# Altium PCB 0020-03_FFT2G.PcbDoc (part 5 of 16) (continued)
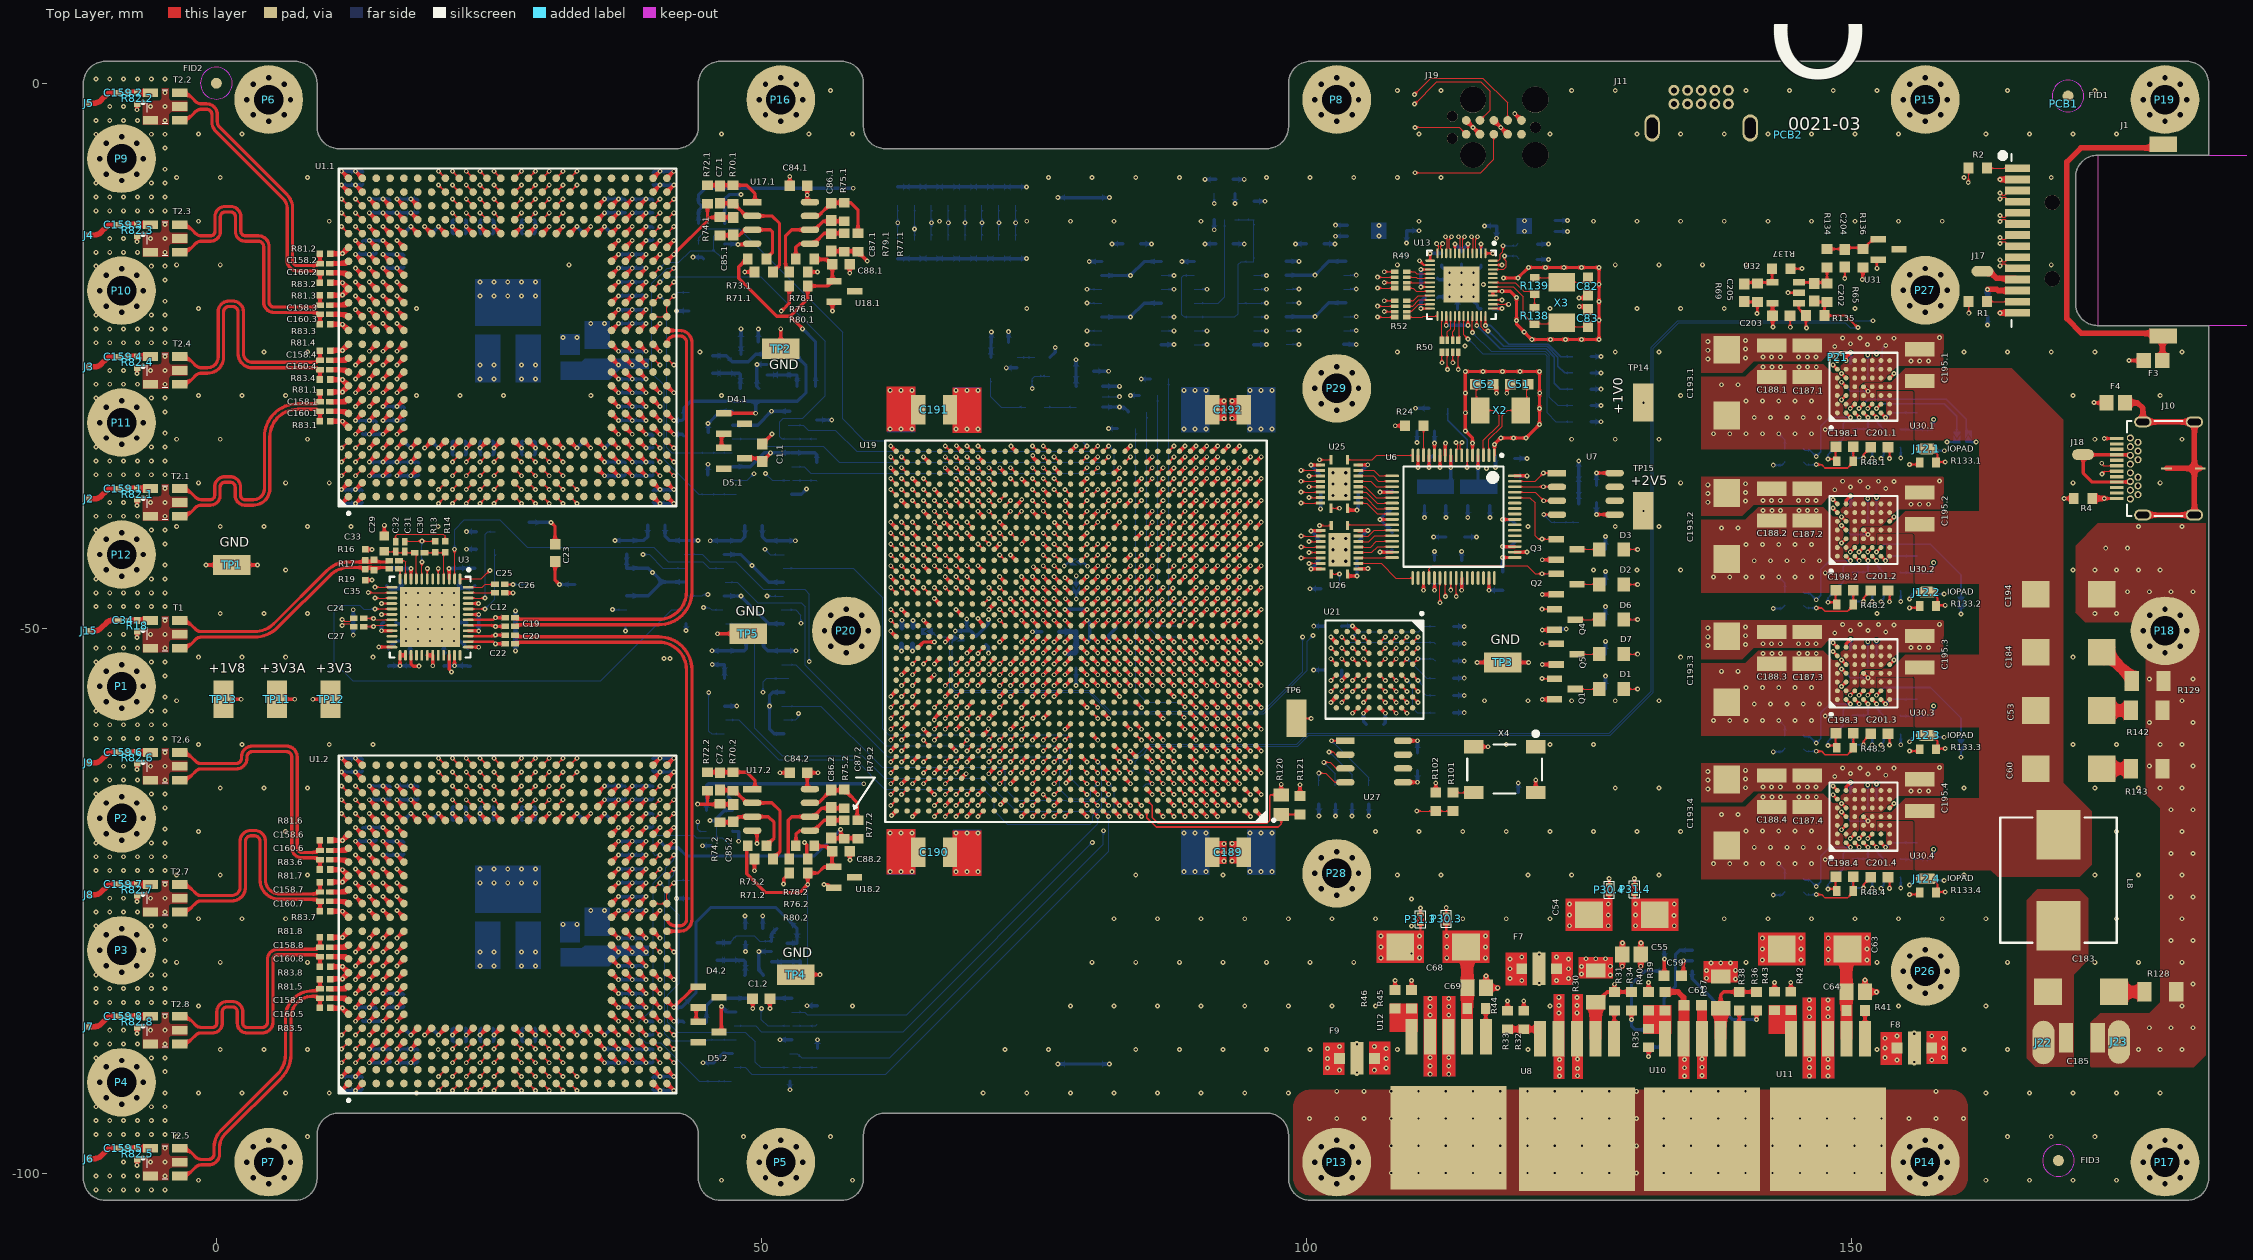
[diagram p0: Top Layer view]
## Nets (pads, with @x,y where several pads share a name; then routed paths per layer and width w, separated by ;. In a path a pad name is that pad's centre, name@x,y a point inside that pad or via, vN(x,y) a via of type N, cw(c..) or ccw(c..) an arc to the next point about the centre after c; other vN are vias at no path point) (continued)
BPI_A11: U19.C9 U21.D6 | length 41.5
  Top Layer w0.1: U19.C9@87.375,-64.78 v1(87.875,-65.28) ; U21.D6@106.76,-55.312 v1(107.26,-55.812)
  LVDS2 w0.1: v1(87.875,-65.28) 88.375,-65.78 96.817,-65.78 96.877,-65.78 ccw(c96.877,-65.64) 97.017,-65.64 97.017,-65.52 cw(c97.157,-65.52) 97.157,-65.38 97.277,-65.38 cw(c97.277,-65.52) 97.417,-65.52 97.417,-65.78 97.417,-66.04 ccw(c97.557,-66.04) 97.557,-66.18 97.677,-66.18 ccw(c97.677,-66.04) 97.817,-66.04 97.817,-65.78 97.817,-65.52 cw(c97.957,-65.52) 97.957,-65.38 98.077,-65.38 cw(c98.077,-65.52) 98.217,-65.52 98.217,-65.78 98.217,-66.04 ccw(c98.357,-66.04) 98.357,-66.18 98.477,-66.18 ccw(c98.477,-66.04) 98.617,-66.04 98.617,-65.78 98.617,-65.52 cw(c98.757,-65.52) 98.757,-65.38 98.877,-65.38 cw(c98.877,-65.52) 99.017,-65.52 99.017,-65.78 99.017,-66.04 ccw(c99.157,-66.04) 99.157,-66.18 99.277,-66.18 ccw(c99.277,-66.04) 99.417,-66.04 99.417,-65.78 99.417,-65.52 cw(c99.557,-65.52) 99.557,-65.38 99.677,-65.38 cw(c99.677,-65.52) 99.817,-65.52 99.817,-65.78 99.817,-66.04 ccw(c99.957,-66.04) 99.957,-66.18 100.077,-66.18 ccw(c100.077,-66.04) 100.217,-66.04 100.217,-65.78 100.217,-65.52 cw(c100.357,-65.52) 100.357,-65.38 100.477,-65.38 cw(c100.477,-65.52) 100.617,-65.52 100.617,-65.78 100.617,-66.04 ccw(c100.757,-66.04) 100.757,-66.18 100.877,-66.18 ccw(c100.877,-66.04) 101.017,-66.04 101.017,-65.78 101.017,-65.52 cw(c101.157,-65.52) 101.157,-65.38 101.277,-65.38 cw(c101.277,-65.52) 101.417,-65.52 101.417,-65.78 101.417,-66.04 ccw(c101.557,-66.04) 101.557,-66.18 101.677,-66.18 ccw(c101.677,-66.04) 101.817,-66.04 101.817,-65.78 101.817,-65.52 cw(c101.957,-65.52) 101.957,-65.38 102.077,-65.38 cw(c102.077,-65.52) 102.217,-65.52 102.217,-65.78 102.217,-66.04 ccw(c102.357,-66.04) 102.357,-66.18 102.477,-66.18 ccw(c102.477,-66.04) 102.617,-66.04 102.617,-65.78 102.617,-65.52 cw(c102.757,-65.52) 102.757,-65.38 102.877,-65.38 cw(c102.877,-65.52) 103.017,-65.52 103.017,-65.78 103.017,-66.04 ccw(c103.157,-66.04) 103.157,-66.18 103.277,-66.18 ccw(c103.277,-66.04) 103.417,-66.04 103.417,-65.78 103.417,-65.52 cw(c103.557,-65.52) 103.557,-65.38 103.677,-65.38 cw(c103.677,-65.52) 103.817,-65.52 103.817,-65.64 ccw(c103.957,-65.64) 103.957,-65.78 104.005,-65.78 105.698,-65.78 106.76,-64.718 106.76,-56.312 v1(107.26,-55.812)
BPI_A12: U19.D10 U21.B7 | length 41.5
  Top Layer w0.1: U19.D10@86.375,-63.78 v1(86.875,-64.28) ; U21.B7@108.76,-56.312 v1(109.26,-56.812)
  LVDS1 w0.1: v1(86.875,-64.28) 87.375,-64.78 87.375,-65.409 87.746,-65.78 96.537,-65.78 96.597,-65.78 ccw(c96.597,-65.64) 96.737,-65.64 96.737,-65.52 cw(c96.877,-65.52) 96.877,-65.38 96.997,-65.38 cw(c96.997,-65.52) 97.137,-65.52 97.137,-65.78 97.137,-66.04 ccw(c97.277,-66.04) 97.277,-66.18 97.397,-66.18 ccw(c97.397,-66.04) 97.537,-66.04 97.537,-65.78 97.537,-65.52 cw(c97.677,-65.52) 97.677,-65.38 97.797,-65.38 cw(c97.797,-65.52) 97.937,-65.52 97.937,-65.78 97.937,-66.04 ccw(c98.077,-66.04) 98.077,-66.18 98.197,-66.18 ccw(c98.197,-66.04) 98.337,-66.04 98.337,-65.78 98.337,-65.52 cw(c98.477,-65.52) 98.477,-65.38 98.597,-65.38 cw(c98.597,-65.52) 98.737,-65.52 98.737,-65.78 98.737,-66.04 ccw(c98.877,-66.04) 98.877,-66.18 98.997,-66.18 ccw(c98.997,-66.04) 99.137,-66.04 99.137,-65.78 99.137,-65.52 cw(c99.277,-65.52) 99.277,-65.38 99.397,-65.38 cw(c99.397,-65.52) 99.537,-65.52 99.537,-65.78 99.537,-66.04 ccw(c99.677,-66.04) 99.677,-66.18 99.797,-66.18 ccw(c99.797,-66.04) 99.937,-66.04 99.937,-65.78 99.937,-65.52 cw(c100.077,-65.52) 100.077,-65.38 100.197,-65.38 cw(c100.197,-65.52) 100.337,-65.52 100.337,-65.78 100.337,-66.04 ccw(c100.477,-66.04) 100.477,-66.18 100.597,-66.18 ccw(c100.597,-66.04) 100.737,-66.04 100.737,-65.78 100.737,-65.52 cw(c100.877,-65.52) 100.877,-65.38 100.997,-65.38 cw(c100.997,-65.52) 101.137,-65.52 101.137,-65.78 101.137,-66.04 ccw(c101.277,-66.04) 101.277,-66.18 101.397,-66.18 ccw(c101.397,-66.04) 101.537,-66.04 101.537,-65.92 cw(c101.677,-65.92) 101.677,-65.78 101.77,-65.78 108.058,-65.78 109.76,-64.078 109.76,-57.312 v1(109.26,-56.812)
BPI_A13: U19.C10 U21.A7 | length 41.2
  Top Layer w0.1: U19.C10@86.375,-64.78 v1(86.875,-65.28) ; U21.A7@109.76,-56.312 v1(110.26,-56.812)
  LVDS1 w0.1: v1(86.875,-65.28) 86.875,-66.02 87.635,-66.78 96.537,-66.78 96.597,-66.78 ccw(c96.597,-66.64) 96.737,-66.64 96.737,-66.52 cw(c96.877,-66.52) 96.877,-66.38 96.997,-66.38 cw(c96.997,-66.52) 97.137,-66.52 97.137,-66.78 97.137,-67.04 ccw(c97.277,-67.04) 97.277,-67.18 97.397,-67.18 ccw(c97.397,-67.04) 97.537,-67.04 97.537,-66.78 97.537,-66.52 cw(c97.677,-66.52) 97.677,-66.38 97.797,-66.38 cw(c97.797,-66.52) 97.937,-66.52 97.937,-66.78 97.937,-67.04 ccw(c98.077,-67.04) 98.077,-67.18 98.197,-67.18 ccw(c98.197,-67.04) 98.337,-67.04 98.337,-66.78 98.337,-66.52 cw(c98.477,-66.52) 98.477,-66.38 98.597,-66.38 cw(c98.597,-66.52) 98.737,-66.52 98.737,-66.78 98.737,-67.04 ccw(c98.877,-67.04) 98.877,-67.18 98.997,-67.18 ccw(c98.997,-67.04) 99.137,-67.04 99.137,-66.78 99.137,-66.52 cw(c99.277,-66.52) 99.277,-66.38 99.397,-66.38 cw(c99.397,-66.52) 99.537,-66.52 99.537,-66.78 99.537,-67.04 ccw(c99.677,-67.04) 99.677,-67.18 99.797,-67.18 ccw(c99.797,-67.04) 99.937,-67.04 99.937,-66.78 99.937,-66.52 cw(c100.077,-66.52) 100.077,-66.38 100.197,-66.38 cw(c100.197,-66.52) 100.337,-66.52 100.337,-66.64 ccw(c100.477,-66.64) 100.477,-66.78 100.703,-66.78 108.49,-66.78 110.71,-64.559 110.71,-57.262 v1(110.26,-56.812)
BPI_A14: U19.F10 U21.C7 | length 41.7
  Top Layer w0.1: U19.F10@86.375,-61.78 v1(86.875,-62.28) ; U21.C7@107.76,-56.312 v1(108.26,-56.812)
  LVDS1 w0.1: v1(86.875,-62.28) 86.375,-62.78 84.949,-62.78 84.802,-62.927 84.802,-63.569 85.03,-63.796 107.377,-63.796 107.76,-63.414 107.76,-62.85 107.76,-62.637 cw(c107.9,-62.637) 107.9,-62.497 108.02,-62.497 ccw(c108.02,-62.357) 108.16,-62.357 108.16,-62.237 ccw(c108.02,-62.237) 108.02,-62.097 107.76,-62.097 107.5,-62.097 cw(c107.5,-61.957) 107.36,-61.957 107.36,-61.837 cw(c107.5,-61.837) 107.5,-61.697 107.76,-61.697 108.02,-61.697 ccw(c108.02,-61.557) 108.16,-61.557 108.16,-61.437 ccw(c108.02,-61.437) 108.02,-61.297 107.76,-61.297 107.5,-61.297 cw(c107.5,-61.157) 107.36,-61.157 107.36,-61.037 cw(c107.5,-61.037) 107.5,-60.897 107.76,-60.897 108.02,-60.897 ccw(c108.02,-60.757) 108.16,-60.757 108.16,-60.637 ccw(c108.02,-60.637) 108.02,-60.497 107.76,-60.497 107.5,-60.497 cw(c107.5,-60.357) 107.36,-60.357 107.36,-60.237 cw(c107.5,-60.237) 107.5,-60.097 107.76,-60.097 108.02,-60.097 ccw(c108.02,-59.957) 108.16,-59.957 108.16,-59.837 ccw(c108.02,-59.837) 108.02,-59.697 107.76,-59.697 107.5,-59.697 cw(c107.5,-59.557) 107.36,-59.557 107.36,-59.437 cw(c107.5,-59.437) 107.5,-59.297 107.76,-59.297 108.02,-59.297 ccw(c108.02,-59.157) 108.16,-59.157 108.16,-59.037 ccw(c108.02,-59.037) 108.02,-58.897 107.76,-58.897 107.5,-58.897 cw(c107.5,-58.757) 107.36,-58.757 107.36,-58.637 cw(c107.5,-58.637) 107.5,-58.497 107.76,-58.497 107.97,-58.497 ccw(c107.97,-58.357) 108.11,-58.357 108.11,-58.237 ccw(c107.97,-58.237) 107.97,-58.097 107.9,-58.097 cw(c107.9,-57.957) 107.76,-57.957 107.76,-57.897 107.76,-57.312 v1(108.26,-56.812)
BPI_A15: U19.F9 U21.D7 | length 41.9
  Top Layer w0.1: U19.F9@87.375,-61.78 v1(87.875,-62.28) ; U21.D7@106.76,-56.312 v1(107.26,-56.812)
  LVDS1 w0.1: v1(87.875,-62.28) 88.375,-62.78 95.674,-62.78 95.734,-62.78 ccw(c95.734,-62.64) 95.874,-62.64 95.874,-62.52 cw(c96.014,-62.52) 96.014,-62.38 96.134,-62.38 cw(c96.134,-62.52) 96.274,-62.52 96.274,-62.78 96.274,-63.04 ccw(c96.414,-63.04) 96.414,-63.18 96.534,-63.18 ccw(c96.534,-63.04) 96.674,-63.04 96.674,-62.78 96.674,-62.52 cw(c96.814,-62.52) 96.814,-62.38 96.934,-62.38 cw(c96.934,-62.52) 97.074,-62.52 97.074,-62.78 97.074,-63.04 ccw(c97.214,-63.04) 97.214,-63.18 97.334,-63.18 ccw(c97.334,-63.04) 97.474,-63.04 97.474,-62.78 97.474,-62.52 cw(c97.614,-62.52) 97.614,-62.38 97.734,-62.38 cw(c97.734,-62.52) 97.874,-62.52 97.874,-62.78 97.874,-63.04 ccw(c98.014,-63.04) 98.014,-63.18 98.134,-63.18 ccw(c98.134,-63.04) 98.274,-63.04 98.274,-62.78 98.274,-62.52 cw(c98.414,-62.52) 98.414,-62.38 98.534,-62.38 cw(c98.534,-62.52) 98.674,-62.52 98.674,-62.78 98.674,-63.04 ccw(c98.814,-63.04) 98.814,-63.18 98.934,-63.18 ccw(c98.934,-63.04) 99.074,-63.04 99.074,-62.78 99.074,-62.52 cw(c99.214,-62.52) 99.214,-62.38 99.334,-62.38 cw(c99.334,-62.52) 99.474,-62.52 99.474,-62.78 99.474,-63.04 ccw(c99.614,-63.04) 99.614,-63.18 99.734,-63.18 ccw(c99.734,-63.04) 99.874,-63.04 99.874,-62.78 99.874,-62.52 cw(c100.014,-62.52) 100.014,-62.38 100.134,-62.38 cw(c100.134,-62.52) 100.274,-62.52 100.274,-62.78 100.274,-63.04 ccw(c100.414,-63.04) 100.414,-63.18 100.534,-63.18 ccw(c100.534,-63.04) 100.674,-63.04 100.674,-62.78 100.674,-62.52 cw(c100.814,-62.52) 100.814,-62.38 100.934,-62.38 cw(c100.934,-62.52) 101.074,-62.52 101.074,-62.64 ccw(c101.214,-62.64) 101.214,-62.78 101.363,-62.78 101.77,-62.78 101.83,-62.78 ccw(c101.83,-62.64) 101.97,-62.64 101.97,-62.52 cw(c102.11,-62.52) 102.11,-62.38 102.23,-62.38 cw(c102.23,-62.52) 102.37,-62.52 102.37,-62.78 102.37,-63.04 ccw(c102.51,-63.04) 102.51,-63.18 102.63,-63.18 ccw(c102.63,-63.04) 102.77,-63.04 102.77,-62.78 102.77,-62.52 cw(c102.91,-62.52) 102.91,-62.38 103.03,-62.38 cw(c103.03,-62.52) 103.17,-62.52 103.17,-62.78 103.17,-63.04 ccw(c103.31,-63.04) 103.31,-63.18 103.43,-63.18 ccw(c103.43,-63.04) 103.57,-63.04 103.57,-62.78 103.57,-62.52 cw(c103.71,-62.52) 103.71,-62.38 103.83,-62.38 cw(c103.83,-62.52) 103.97,-62.52 103.97,-62.78 103.97,-63.04 ccw(c104.11,-63.04) 104.11,-63.18 104.23,-63.18 ccw(c104.23,-63.04) 104.37,-63.04 104.37,-62.78 104.37,-62.52 cw(c104.51,-62.52) 104.51,-62.38 104.63,-62.38 cw(c104.63,-62.52) 104.77,-62.52 104.77,-62.78 104.77,-63.04 ccw(c104.91,-63.04) 104.91,-63.18 105.03,-63.18 ccw(c105.03,-63.04) 105.17,-63.04 105.17,-62.78 105.17,-62.52 cw(c105.31,-62.52) 105.31,-62.38 105.43,-62.38 cw(c105.43,-62.52) 105.57,-62.52 105.57,-62.78 105.57,-63.04 ccw(c105.71,-63.04) 105.71,-63.18 105.83,-63.18 ccw(c105.83,-63.04) 105.97,-63.04 105.97,-62.92 cw(c106.11,-62.92) 106.11,-62.78 106.164,-62.78 106.387,-62.78 106.76,-62.407 106.76,-57.312 v1(107.26,-56.812)
BPI_A16: U19.AH8 U21.E7 | length 41.2
  Top Layer w0.1: U19.AH8@88.375,-39.78 v1(88.875,-39.28) ; v1(105.26,-56.812) U21.E7@105.76,-56.312
  LVDS3 w0.1: v1(88.875,-39.28) 89.375,-39.78 96.398,-39.78 97.248,-40.63 97.248,-48.601 97.579,-48.931 97.909,-48.931 97.969,-48.931 ccw(c97.969,-48.791) 98.109,-48.791 98.109,-48.671 cw(c98.249,-48.671) 98.249,-48.531 98.369,-48.531 cw(c98.369,-48.671) 98.509,-48.671 98.509,-48.931 98.509,-49.191 ccw(c98.649,-49.191) 98.649,-49.331 98.769,-49.331 ccw(c98.769,-49.191) 98.909,-49.191 98.909,-48.931 98.909,-48.671 cw(c99.049,-48.671) 99.049,-48.531 99.169,-48.531 cw(c99.169,-48.671) 99.309,-48.671 99.309,-48.931 99.309,-49.191 ccw(c99.449,-49.191) 99.449,-49.331 99.569,-49.331 ccw(c99.569,-49.191) 99.709,-49.191 99.709,-48.931 99.709,-48.671 cw(c99.849,-48.671) 99.849,-48.531 99.969,-48.531 cw(c99.969,-48.671) 100.109,-48.671 100.109,-48.931 100.109,-49.191 ccw(c100.249,-49.191) 100.249,-49.331 100.369,-49.331 ccw(c100.369,-49.191) 100.509,-49.191 100.509,-48.931 100.509,-48.671 cw(c100.649,-48.671) 100.649,-48.531 100.769,-48.531 cw(c100.769,-48.671) 100.909,-48.671 100.909,-48.931 100.909,-49.191 ccw(c101.049,-49.191) 101.049,-49.331 101.169,-49.331 ccw(c101.169,-49.191) 101.309,-49.191 101.309,-48.931 101.309,-48.671 cw(c101.449,-48.671) 101.449,-48.531 101.569,-48.531 cw(c101.569,-48.671) 101.709,-48.671 101.709,-48.931 101.709,-49.191 ccw(c101.849,-49.191) 101.849,-49.331 101.969,-49.331 ccw(c101.969,-49.191) 102.109,-49.191 102.109,-48.931 102.109,-48.671 cw(c102.249,-48.671) 102.249,-48.531 102.369,-48.531 cw(c102.369,-48.671) 102.509,-48.671 102.509,-48.791 ccw(c102.649,-48.791) 102.649,-48.931 102.811,-48.931 104.325,-48.931 104.76,-49.366 104.76,-56.312 v1(105.26,-56.812)
BPI_A17: U19.AG8 U21.B3 | length 41.9
  Top Layer w0.1: U19.AG8@88.375,-40.78 v1(88.875,-40.28) ; U21.B3@108.76,-52.312 v1(109.26,-51.812)
  LVDS1 w0.1: v1(88.875,-40.28) 88.375,-40.78 86.777,-40.78 86.375,-41.182 86.375,-43.807 87.347,-44.78 96.971,-44.78 98.989,-46.798 100.576,-46.798 100.636,-46.798 ccw(c100.636,-46.658) 100.776,-46.658 100.776,-46.538 cw(c100.916,-46.538) 100.916,-46.398 101.036,-46.398 cw(c101.036,-46.538) 101.176,-46.538 101.176,-46.798 101.176,-47.042 ccw(c101.316,-47.042) 101.316,-47.182 101.436,-47.182 ccw(c101.436,-47.042) 101.576,-47.042 101.576,-46.798 101.576,-46.569 cw(c101.716,-46.569) 101.716,-46.429 101.836,-46.429 cw(c101.836,-46.569) 101.976,-46.569 101.976,-46.798 101.976,-47.042 ccw(c102.116,-47.042) 102.116,-47.182 102.236,-47.182 ccw(c102.236,-47.042) 102.376,-47.042 102.376,-46.798 102.376,-46.569 cw(c102.516,-46.569) 102.516,-46.429 102.636,-46.429 cw(c102.636,-46.569) 102.776,-46.569 102.776,-46.798 102.776,-47.042 ccw(c102.916,-47.042) 102.916,-47.182 103.036,-47.182 ccw(c103.036,-47.042) 103.176,-47.042 103.176,-46.798 103.176,-46.569 cw(c103.316,-46.569) 103.316,-46.429 103.436,-46.429 cw(c103.436,-46.569) 103.576,-46.569 103.576,-46.798 103.576,-47.042 ccw(c103.716,-47.042) 103.716,-47.182 103.836,-47.182 ccw(c103.836,-47.042) 103.976,-47.042 103.976,-46.798 103.976,-46.569 cw(c104.116,-46.569) 104.116,-46.429 104.236,-46.429 cw(c104.236,-46.569) 104.376,-46.569 104.376,-46.798 104.376,-47.042 ccw(c104.516,-47.042) 104.516,-47.182 104.636,-47.182 ccw(c104.636,-47.042) 104.776,-47.042 104.776,-46.938 cw(c104.916,-46.938) 104.916,-46.798 105.173,-46.798 107.789,-46.798 109.76,-48.768 109.76,-51.312 v1(109.26,-51.812)
BPI_A18: U19.AP9 U21.C4 | length 43.2
  Top Layer w0.1: U19.AP9@87.375,-33.78 v1(87.875,-33.28) ; U21.C4@107.76,-53.312 v1(108.26,-52.812)
  LVDS1 w0.1: v1(87.875,-33.28) 86.375,-34.78 85.771,-34.78 85.375,-35.176 85.375,-45.444 85.711,-45.78 97.217,-45.78 98.819,-47.382 105.982,-47.382 108.76,-50.16 108.76,-52.312 v1(108.26,-52.812)
BPI_A19: U19.AN9 U21.D5 | length 42.8
  Top Layer w0.1: U19.AN9@87.375,-34.78 v1(87.875,-34.28) ; U21.D5@106.76,-54.312 v1(107.26,-54.812)
  LVDS2 w0.1: v1(87.875,-34.28) 87.375,-34.78 85.771,-34.78 85.375,-35.176 85.375,-46.569 85.585,-46.78 95.376,-46.78 97.934,-49.338 104.966,-49.338 106.286,-50.658 106.286,-53.838 v1(107.26,-54.812)
BPI_A20: U19.AF10 U21.D4 | length 41.6
  Top Layer w0.1: U19.AF10@86.375,-41.78 v1(86.875,-41.28) ; U21.D4@106.76,-53.312 v1(107.26,-52.812)
  LVDS2 w0.1: v1(86.875,-41.28) 86.375,-41.78 86.375,-45.332 86.823,-45.78 96.053,-45.78 96.944,-46.671 96.986,-46.713 ccw(c97.085,-46.614) 97.184,-46.713 97.269,-46.628 cw(c97.368,-46.727) 97.467,-46.628 97.552,-46.713 cw(c97.453,-46.812) 97.552,-46.911 97.368,-47.095 97.184,-47.279 ccw(c97.283,-47.378) 97.184,-47.477 97.269,-47.562 ccw(c97.368,-47.463) 97.467,-47.562 97.651,-47.378 97.835,-47.194 cw(c97.934,-47.293) 98.033,-47.194 98.117,-47.279 cw(c98.018,-47.378) 98.117,-47.477 98.033,-47.562 ccw(c98.132,-47.661) 98.033,-47.76 98.125,-47.852 98.872,-48.599 99.128,-48.599 99.188,-48.599 ccw(c99.188,-48.459) 99.328,-48.459 99.328,-48.339 cw(c99.468,-48.339) 99.468,-48.199 99.588,-48.199 cw(c99.588,-48.339) 99.728,-48.339 99.728,-48.599 99.728,-48.859 ccw(c99.868,-48.859) 99.868,-48.999 99.988,-48.999 ccw(c99.988,-48.859) 100.128,-48.859 100.128,-48.599 100.128,-48.339 cw(c100.268,-48.339) 100.268,-48.199 100.388,-48.199 cw(c100.388,-48.339) 100.528,-48.339 100.528,-48.599 100.528,-48.859 ccw(c100.668,-48.859) 100.668,-48.999 100.788,-48.999 ccw(c100.788,-48.859) 100.928,-48.859 100.928,-48.599 100.928,-48.339 cw(c101.068,-48.339) 101.068,-48.199 101.188,-48.199 cw(c101.188,-48.339) 101.328,-48.339 101.328,-48.599 101.328,-48.859 ccw(c101.468,-48.859) 101.468,-48.999 101.588,-48.999 ccw(c101.588,-48.859) 101.728,-48.859 101.728,-48.599 101.728,-48.339 cw(c101.868,-48.339) 101.868,-48.199 101.988,-48.199 cw(c101.988,-48.339) 102.128,-48.339 102.128,-48.599 102.128,-48.859 ccw(c102.268,-48.859) 102.268,-48.999 102.388,-48.999 ccw(c102.388,-48.859) 102.528,-48.859 102.528,-48.599 102.528,-48.339 cw(c102.668,-48.339) 102.668,-48.199 102.788,-48.199 cw(c102.788,-48.339) 102.928,-48.339 102.928,-48.599 102.928,-48.859 ccw(c103.068,-48.859) 103.068,-48.999 103.188,-48.999 ccw(c103.188,-48.859) 103.328,-48.859 103.328,-48.599 103.328,-48.339 cw(c103.468,-48.339) 103.468,-48.199 103.588,-48.199 cw(c103.588,-48.339) 103.728,-48.339 103.728,-48.599 103.728,-48.859 ccw(c103.868,-48.859) 103.868,-48.999 103.988,-48.999 ccw(c103.988,-48.859) 104.128,-48.859 104.128,-48.599 104.128,-48.339 cw(c104.268,-48.339) 104.268,-48.199 104.388,-48.199 cw(c104.388,-48.339) 104.528,-48.339 104.528,-48.459 ccw(c104.668,-48.459) 104.668,-48.599 104.818,-48.599 105.211,-48.599 106.76,-50.148 106.76,-52.312 v1(107.26,-52.812)
BPI_A21: U19.AF9 U21.C5 | length 42.8
  Top Layer w0.1: U19.AF9@87.375,-41.78 v1(87.875,-41.28) ; U21.C5@107.76,-54.312 v1(108.26,-54.812)
  LVDS2 w0.1: v1(87.875,-41.28) 88.375,-40.78 96.848,-40.78 97.074,-41.005 97.074,-41.489 97.074,-41.549 ccw(c97.214,-41.549) 97.214,-41.689 97.273,-41.689 cw(c97.273,-41.829) 97.413,-41.829 97.413,-41.949 cw(c97.273,-41.949) 97.273,-42.089 97.074,-42.089 96.875,-42.089 ccw(c96.875,-42.229) 96.735,-42.229 96.735,-42.349 ccw(c96.875,-42.349) 96.875,-42.489 97.074,-42.489 97.273,-42.489 cw(c97.273,-42.629) 97.413,-42.629 97.413,-42.749 cw(c97.273,-42.749) 97.273,-42.889 97.074,-42.889 96.875,-42.889 ccw(c96.875,-43.029) 96.735,-43.029 96.735,-43.149 ccw(c96.875,-43.149) 96.875,-43.289 96.934,-43.289 cw(c96.934,-43.429) 97.074,-43.429 97.074,-43.623 97.074,-43.861 97.35,-44.137 97.392,-44.179 ccw(c97.491,-44.08) 97.59,-44.179 97.675,-44.094 cw(c97.774,-44.193) 97.873,-44.094 97.958,-44.179 cw(c97.859,-44.278) 97.958,-44.377 97.774,-44.561 97.59,-44.745 ccw(c97.689,-44.844) 97.59,-44.943 97.675,-45.028 ccw(c97.774,-44.929) 97.873,-45.028 97.958,-44.943 cw(c98.057,-45.042) 98.156,-44.943 98.3,-45.086 99.198,-45.985 105.554,-45.985 105.808,-46.239 105.851,-46.281 ccw(c105.95,-46.182) 106.049,-46.281 106.134,-46.196 cw(c106.233,-46.295) 106.332,-46.196 106.416,-46.281 cw(c106.317,-46.38) 106.416,-46.479 106.233,-46.663 106.049,-46.847 ccw(c106.148,-46.946) 106.049,-47.045 106.133,-47.13 ccw(c106.232,-47.031) 106.331,-47.13 106.515,-46.946 106.699,-46.762 cw(c106.798,-46.861) 106.897,-46.762 106.982,-46.847 cw(c106.883,-46.946) 106.982,-47.045 106.798,-47.229 106.614,-47.413 ccw(c106.713,-47.512) 106.614,-47.611 106.699,-47.696 ccw(c106.798,-47.597) 106.897,-47.696 107.081,-47.512 107.265,-47.328 cw(c107.364,-47.427) 107.463,-47.328 107.548,-47.413 cw(c107.449,-47.512) 107.548,-47.611 107.364,-47.794 107.18,-47.978 ccw(c107.279,-48.077) 107.18,-48.176 107.265,-48.261 ccw(c107.364,-48.162) 107.463,-48.261 107.647,-48.077 107.831,-47.893 cw(c107.93,-47.992) 108.029,-47.893 108.113,-47.978 cw(c108.014,-48.077) 108.113,-48.176 107.93,-48.36 107.746,-48.544 ccw(c107.845,-48.643) 107.746,-48.742 107.831,-48.827 ccw(c107.93,-48.728) 108.029,-48.827 108.212,-48.643 108.396,-48.459 cw(c108.495,-48.558) 108.594,-48.459 108.679,-48.544 cw(c108.58,-48.643) 108.679,-48.742 108.594,-48.827 ccw(c108.693,-48.926) 108.594,-49.025 108.678,-49.109 108.76,-49.19 108.76,-54.312 v1(108.26,-54.812)
BPI_A22: U19.AL9 U21.B8 | length 42.8
  Top Layer w0.1: U19.AL9@87.375,-36.78 v1(87.875,-36.28) ; U21.B8@108.76,-57.312 v1(109.26,-57.812)
  LVDS2 w0.1: v1(87.875,-36.28) 88.375,-36.78 96.628,-36.78 97.774,-37.926 97.774,-38.619 97.774,-38.679 ccw(c97.914,-38.679) 97.914,-38.819 97.97,-38.819 cw(c97.97,-38.959) 98.11,-38.959 98.11,-39.079 cw(c97.97,-39.079) 97.97,-39.219 97.774,-39.219 97.579,-39.219 ccw(c97.579,-39.359) 97.439,-39.359 97.439,-39.479 ccw(c97.579,-39.479) 97.579,-39.619 97.774,-39.619 97.97,-39.619 cw(c97.97,-39.759) 98.11,-39.759 98.11,-39.879 cw(c97.97,-39.879) 97.97,-40.019 97.774,-40.019 97.579,-40.019 ccw(c97.579,-40.159) 97.439,-40.159 97.439,-40.279 ccw(c97.579,-40.279) 97.579,-40.419 97.634,-40.419 cw(c97.634,-40.559) 97.774,-40.559 97.774,-40.625 97.774,-43.515 99.889,-45.629 106.215,-45.629 109.76,-49.174 109.76,-57.312 v1(109.26,-57.812)
BPI_A23: U19.AK9 U21.C8 | length 41.1
  Top Layer w0.1: U19.AK9@87.375,-37.78 v1(87.875,-37.28) ; U21.C8@107.76,-57.312 v1(108.26,-57.812)
  LVDS2 w0.1: v1(87.875,-37.28) 87.375,-37.78 87.375,-44.396 87.759,-44.78 95.992,-44.78 96.385,-45.172 96.427,-45.214 ccw(c96.526,-45.115) 96.625,-45.214 96.71,-45.13 cw(c96.809,-45.229) 96.908,-45.13 96.993,-45.214 cw(c96.894,-45.313) 96.993,-45.412 96.809,-45.596 96.625,-45.78 ccw(c96.724,-45.879) 96.625,-45.978 96.71,-46.063 ccw(c96.809,-45.964) 96.908,-46.063 97.092,-45.879 97.276,-45.695 cw(c97.375,-45.794) 97.474,-45.695 97.559,-45.78 cw(c97.46,-45.879) 97.559,-45.978 97.474,-46.063 ccw(c97.573,-46.162) 97.474,-46.261 97.553,-46.34 99.001,-47.788 105.088,-47.788 107.76,-50.46 107.76,-57.312 v1(108.26,-57.812)
BPI_A24: U19.AE9 U21.F8 | length 40.6
  Top Layer w0.1: U19.AE9@87.375,-42.78 v1(87.875,-42.28) ; v1(104.26,-57.812) U21.F8@104.76,-57.312
  LVDS3 w0.1: v1(87.875,-42.28) 88.375,-42.78 96.293,-42.78 96.613,-43.1 96.613,-43.47 96.613,-43.53 ccw(c96.753,-43.53) 96.753,-43.67 96.873,-43.67 cw(c96.873,-43.81) 97.013,-43.81 97.013,-43.93 cw(c96.873,-43.93) 96.873,-44.07 96.613,-44.07 96.39,-44.07 ccw(c96.39,-44.21) 96.25,-44.21 96.25,-44.33 ccw(c96.39,-44.33) 96.39,-44.47 96.613,-44.47 96.873,-44.47 cw(c96.873,-44.61) 97.013,-44.61 97.013,-44.73 cw(c96.873,-44.73) 96.873,-44.87 96.613,-44.87 96.353,-44.87 ccw(c96.353,-45.01) 96.213,-45.01 96.213,-45.13 ccw(c96.353,-45.13) 96.353,-45.27 96.613,-45.27 96.873,-45.27 cw(c96.873,-45.41) 97.013,-45.41 97.013,-45.53 cw(c96.873,-45.53) 96.873,-45.67 96.613,-45.67 96.353,-45.67 ccw(c96.353,-45.81) 96.213,-45.81 96.213,-45.93 ccw(c96.353,-45.93) 96.353,-46.07 96.613,-46.07 96.873,-46.07 cw(c96.873,-46.21) 97.013,-46.21 97.013,-46.33 cw(c96.873,-46.33) 96.873,-46.47 96.613,-46.47 96.353,-46.47 ccw(c96.353,-46.61) 96.213,-46.61 96.213,-46.73 ccw(c96.353,-46.73) 96.353,-46.87 96.613,-46.87 96.873,-46.87 cw(c96.873,-47.01) 97.013,-47.01 97.013,-47.13 cw(c96.873,-47.13) 96.873,-47.27 96.613,-47.27 96.353,-47.27 ccw(c96.353,-47.41) 96.213,-47.41 96.213,-47.53 ccw(c96.353,-47.53) 96.353,-47.67 96.613,-47.67 96.873,-47.67 cw(c96.873,-47.81) 97.013,-47.81 97.013,-47.93 cw(c96.873,-47.93) 96.873,-48.07 96.613,-48.07 96.39,-48.07 ccw(c96.39,-48.21) 96.25,-48.21 96.25,-48.33 ccw(c96.39,-48.33) 96.39,-48.47 96.613,-48.47 96.873,-48.47 cw(c96.873,-48.61) 97.013,-48.61 97.013,-48.73 cw(c96.873,-48.73) 96.873,-48.87 96.753,-48.87 ccw(c96.753,-49.01) 96.613,-49.01 96.613,-49.16 96.613,-49.769 97.045,-50.201 103.331,-50.201 103.76,-50.63 103.76,-57.312 v1(104.26,-57.812)
BPI_CE#: R104.2 U19.Y24 U21.F2 | length 43.4
  Top Layer w0.1: v1(71.875,-47.28) U19.Y24@72.375,-47.78 ; v1(104.26,-50.812) U21.F2@104.76,-51.312
  LVDS1 w0.1: v1(71.875,-47.28) 72.375,-47.78 73.012,-47.78 73.375,-48.142 73.375,-48.506 73.648,-48.78 102.228,-48.78 v1(104.26,-50.812)
  Bottom Layer w0.1: v1(104.26,-50.812) 104.76,-50.312 110.341,-50.312 110.812,-49.841 R104.2@111.824,-49.841
BPI_DQ0: U19.AF24 U21.E3 | length 43
  Top Layer w0.1: v1(71.875,-41.28) U19.AF24@72.375,-41.78 ; v1(105.26,-51.812) U21.E3@105.76,-52.312
  LVDS1 w0.1: v1(71.875,-41.28) 72.375,-41.78 72.375,-45.932 73.375,-46.932 73.375,-47.363 73.773,-47.762 97.167,-47.762 97.816,-48.411 103.76,-48.411 104.76,-49.411 104.76,-51.312 v1(105.26,-51.812)
BPI_DQ1: U19.AF25 U21.H3 | length 41.8
  Top Layer w0.1: v1(70.875,-41.28) U19.AF25@71.375,-41.78 ; v1(102.26,-51.812) U21.H3@102.76,-52.312
  LVDS3 w0.1: v1(70.875,-41.28) 71.375,-41.78 71.375,-49.78 73.407,-51.812 v1(102.26,-51.812)
BPI_DQ2: U19.W24 U21.E4 | length 41.3
  Top Layer w0.1: v1(71.875,-48.28) U19.W24@72.375,-48.78 ; v1(105.26,-52.812) U21.E4@105.76,-53.312
  LVDS2 w0.1: v1(71.875,-48.28) 74.375,-50.78 96.074,-50.78 97.606,-52.312 97.957,-52.312 98.017,-52.312 ccw(c98.017,-52.172) 98.157,-52.172 98.157,-52.052 cw(c98.297,-52.052) 98.297,-51.912 98.417,-51.912 cw(c98.417,-52.052) 98.557,-52.052 98.557,-52.312 98.557,-52.572 ccw(c98.697,-52.572) 98.697,-52.712 98.817,-52.712 ccw(c98.817,-52.572) 98.957,-52.572 98.957,-52.312 98.957,-52.052 cw(c99.097,-52.052) 99.097,-51.912 99.217,-51.912 cw(c99.217,-52.052) 99.357,-52.052 99.357,-52.312 99.357,-52.572 ccw(c99.497,-52.572) 99.497,-52.712 99.617,-52.712 ccw(c99.617,-52.572) 99.757,-52.572 99.757,-52.312 99.757,-52.052 cw(c99.897,-52.052) 99.897,-51.912 100.017,-51.912 cw(c100.017,-52.052) 100.157,-52.052 100.157,-52.312 100.157,-52.572 ccw(c100.297,-52.572) 100.297,-52.712 100.417,-52.712 ccw(c100.417,-52.572) 100.557,-52.572 100.557,-52.312 100.557,-52.052 cw(c100.697,-52.052) 100.697,-51.912 100.817,-51.912 cw(c100.817,-52.052) 100.957,-52.052 100.957,-52.172 ccw(c101.097,-52.172) 101.097,-52.312 101.262,-52.312 104.76,-52.312 v1(105.26,-52.812)
BPI_DQ3: U19.V24 U21.H4 | length 42.4
  Top Layer w0.1: v1(71.875,-49.28) U19.V24@72.375,-49.78 ; v1(102.26,-52.812) U21.H4@102.76,-53.312
  LVDS1 w0.1: v1(71.875,-49.28) 71.375,-49.78 71.375,-52.306 71.88,-52.812 95.953,-52.812 96.013,-52.812 ccw(c96.013,-52.672) 96.153,-52.672 96.153,-52.552 cw(c96.293,-52.552) 96.293,-52.412 96.413,-52.412 cw(c96.413,-52.552) 96.553,-52.552 96.553,-52.812 96.553,-53.072 ccw(c96.693,-53.072) 96.693,-53.212 96.813,-53.212 ccw(c96.813,-53.072) 96.953,-53.072 96.953,-52.812 96.953,-52.552 cw(c97.093,-52.552) 97.093,-52.412 97.213,-52.412 cw(c97.213,-52.552) 97.353,-52.552 97.353,-52.812 97.353,-53.072 ccw(c97.493,-53.072) 97.493,-53.212 97.613,-53.212 ccw(c97.613,-53.072) 97.753,-53.072 97.753,-52.812 97.753,-52.552 cw(c97.893,-52.552) 97.893,-52.412 98.013,-52.412 cw(c98.013,-52.552) 98.153,-52.552 98.153,-52.812 98.153,-53.072 ccw(c98.293,-53.072) 98.293,-53.212 98.413,-53.212 ccw(c98.413,-53.072) 98.553,-53.072 98.553,-52.812 98.553,-52.552 cw(c98.693,-52.552) 98.693,-52.412 98.813,-52.412 cw(c98.813,-52.552) 98.953,-52.552 98.953,-52.812 98.953,-53.072 ccw(c99.093,-53.072) 99.093,-53.212 99.213,-53.212 ccw(c99.213,-53.072) 99.353,-53.072 99.353,-52.812 99.353,-52.552 cw(c99.493,-52.552) 99.493,-52.412 99.613,-52.412 cw(c99.613,-52.552) 99.753,-52.552 99.753,-52.812 99.753,-53.072 ccw(c99.893,-53.072) 99.893,-53.212 100.013,-53.212 ccw(c100.013,-53.072) 100.153,-53.072 100.153,-52.952 cw(c100.293,-52.952) 100.293,-52.812 100.474,-52.812 v1(102.26,-52.812)